# Allegro board RK_NVR_DEMO_RK3568_DDR4P216SD4_V12_20201221YWQ_final.brd (continued)
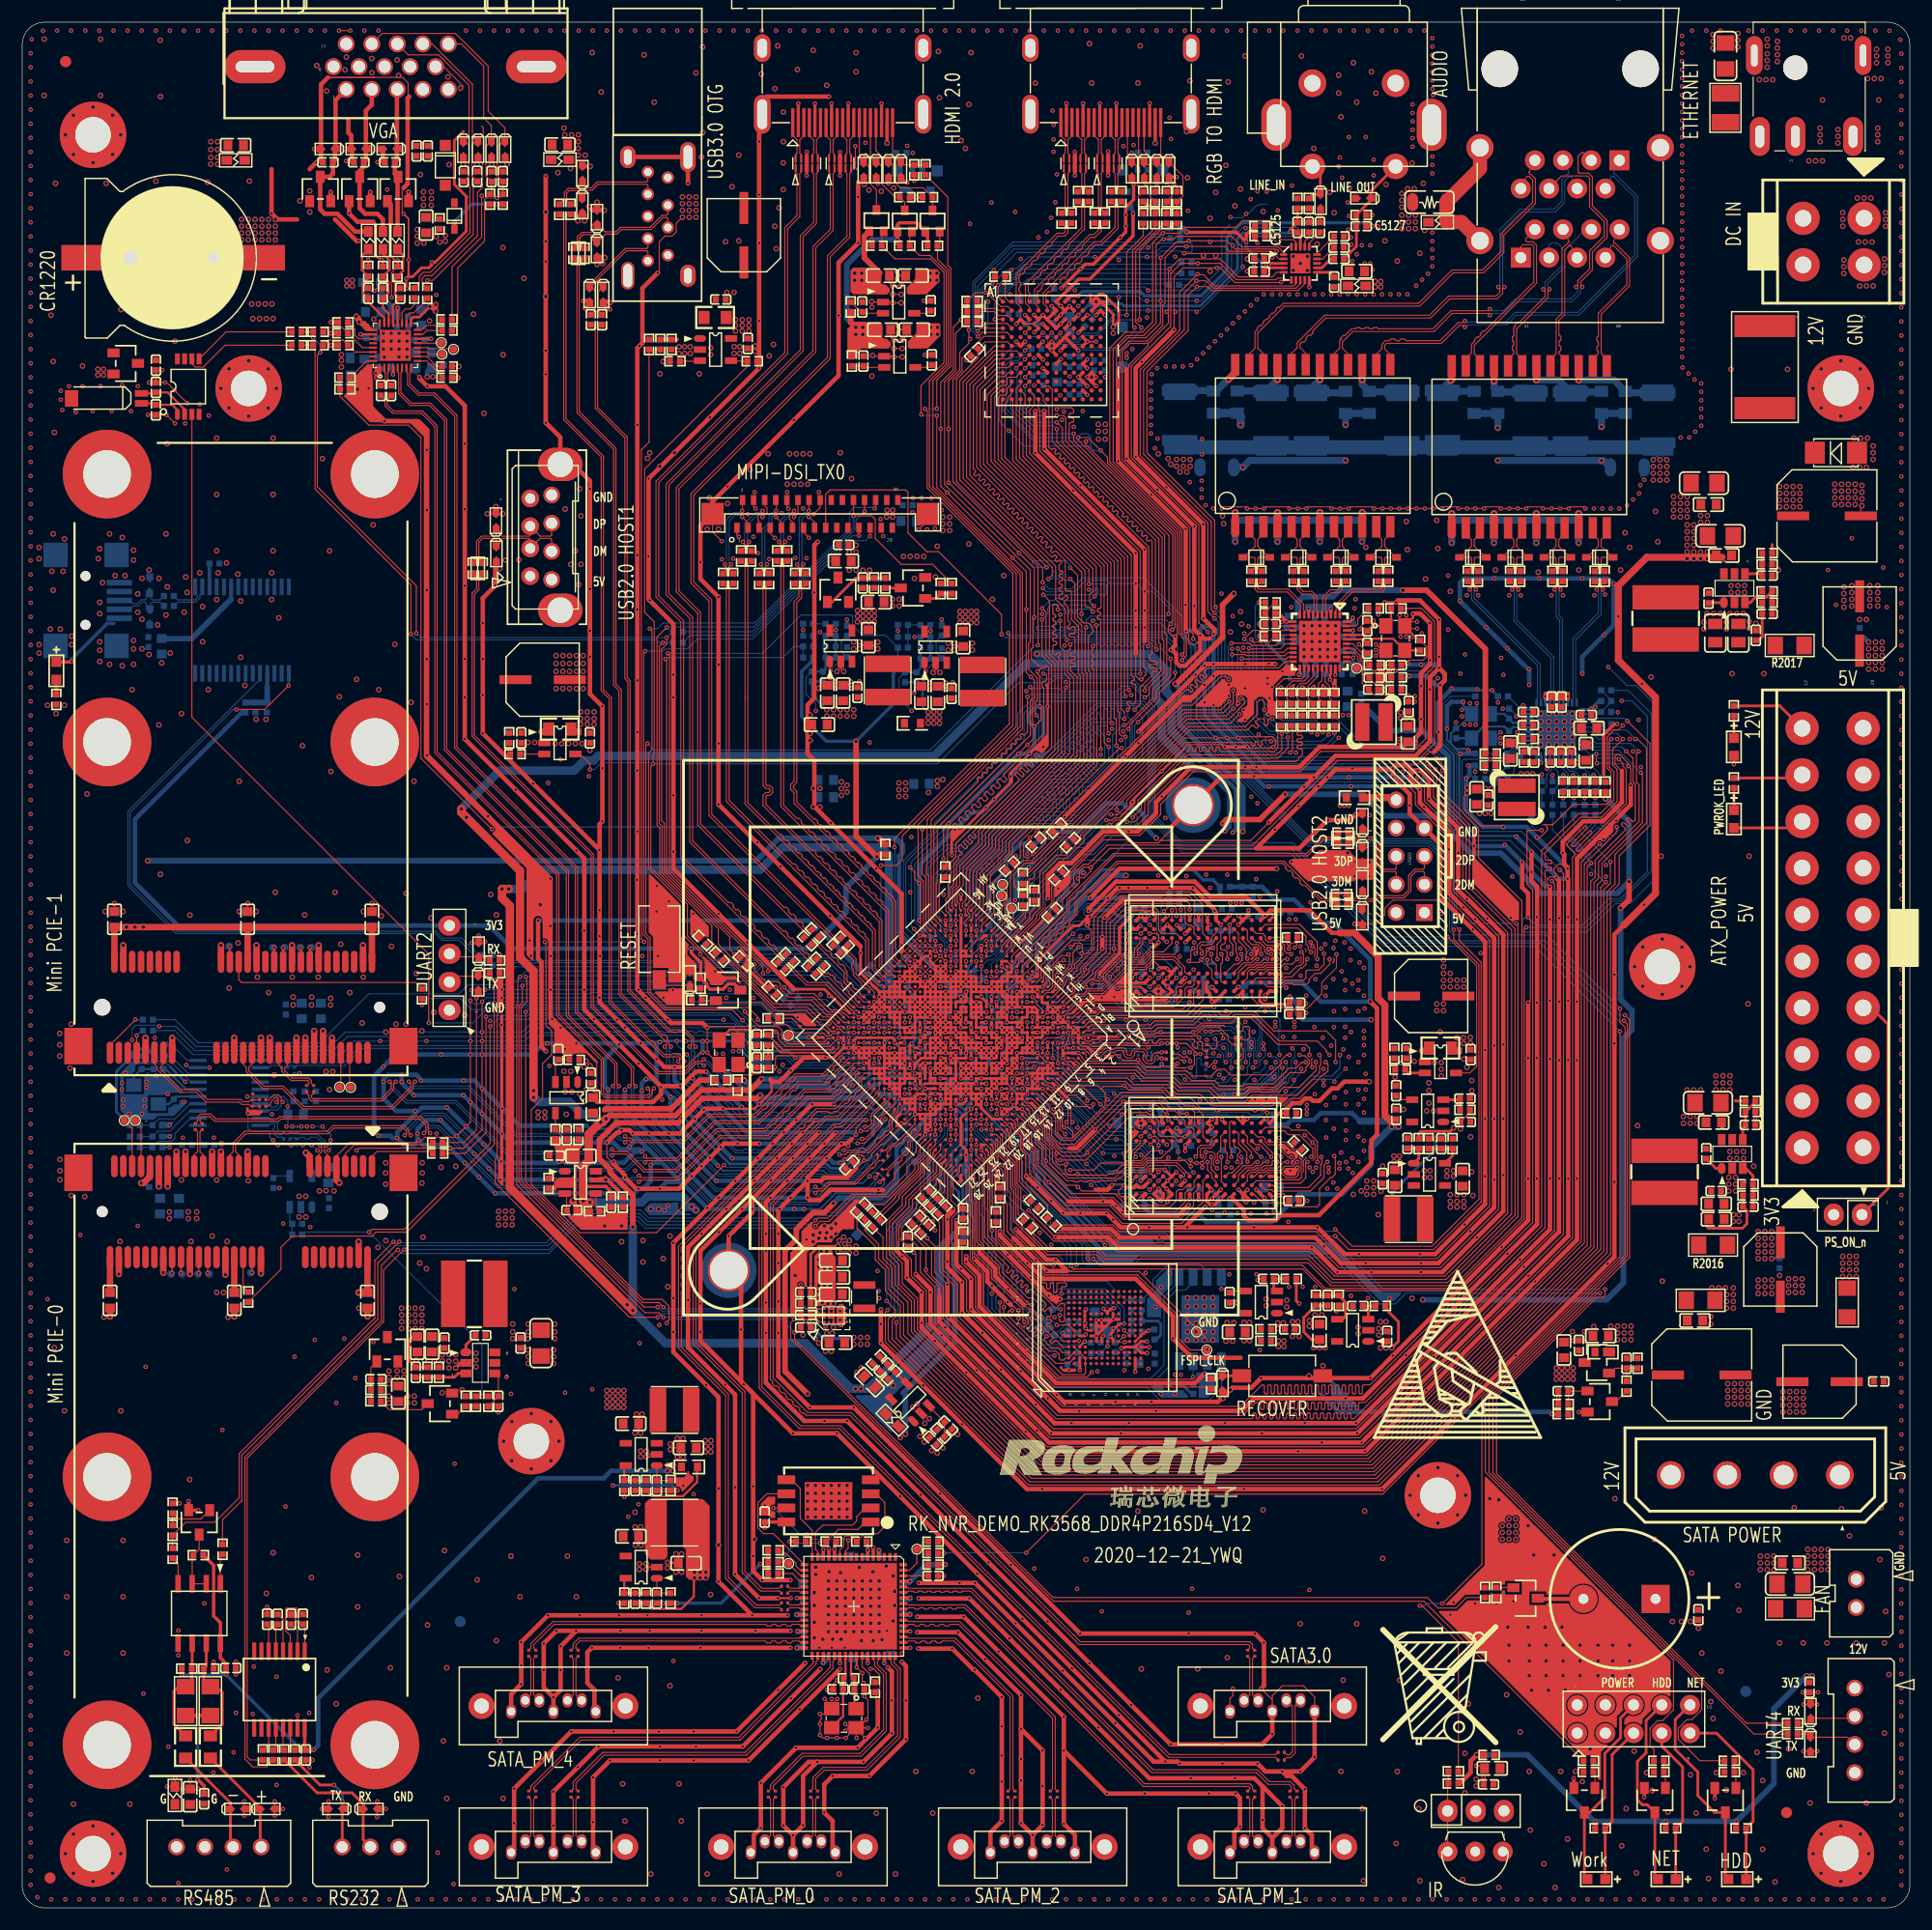
[diagram p0: board, top side]
## Routing (per net, layer and track width the routed paths; a pad name or vN(x,y) marks a point on that pad's centre or on a via; arc(x,y) is an arc through that point) (continued)
  TOP w0.406: 59.28,75.79 v1(58.78,75.79) 57.86,75.79 v1(54.31,79.35) 52.02,81.64 v1(52.02,82.04) v1(52.02,87.58) v1(52.02,89.92) v1(52.02,95.35) ; v1(80.52,57.11) 81.83,55.8 v1(81.83,55.47) v1(81.83,53.54) 81.83,52.63 v1(86,48.46) v1(91.44,43.02) 92.52,41.94 v1(102.87,41.94) v1(117.09,41.94) v1(120.69,41.94) v1(128.5,49.76) v1(135.72,56.97) 139.3,60.55 v1(139.3,65.74) v1(139.3,76.4) v1(139.3,81.79) v1(139.3,89.31) 139.3,92.7 v1(139.24,92.76) v1(139.24,93.68) 139.24,93.78 138.94,94.08 138.94,94.96 v1(138.8,95.1) 138.8,96.08 140.67,97.94 142.43,97.94 144.14,99.65 144.14,102.48 ; 65.79,63.91 v1(65.79,62.99) 65.79,62.69 v1(63.66,60.56) J9900.1 64.77,56.36 v1(64.77,52.12) 64.77,47.45 v1(65.02,47.19) v1(69.44,42.77) v1(73.41,42.77) v1(76.71,39.47) v1(79.1,37.08) v1(86.05,30.12) v1(90.12,26.06) v1(94.59,21.59) v1(98.81,17.37) v1(103,13.18) ; 65.79,63.91 v1(64.87,62.99) v1(62.79,60.91) 61.11,59.23 v1(61.11,54.46) v1(61.11,51.92) 61.11,51.11 65.86,46.36 v1(65.86,38) v1(65.86,31.7) 65.86,30.36 v1(66.67,29.54) v1(69.21,29.54) ; 65.79,63.91 v1(65.89,64.01) v1(67.46,65.58) v1(69.44,67.56) v1(70.76,68.88) v1(71.78,69.9) ; 33.2,151.84 33.2,153.54 D5912.1 ; v1(93.11,60.45) 97.85,60.45 98.78,59.52 v1(103.38,59.52) 116.26,59.52 118.48,57.3 v1(118.52,57.3) v1(121.56,57.3) v1(126.03,57.3) 127.95,57.3 v1(131.05,60.41) 133.45,62.81 v1(133.45,66.04) v1(133.45,71.12) v1(133.45,77.83) 133.45,87.74 v1(132.01,89.18) 130.25,90.94 v1(130.18,90.94) 129.39,91.73 v1(129.39,95.1) 129.39,97.31 v1(126.75,99.95) 126.75,101.77 126,102.51 v1(125.73,102.51) 125.43,102.51 125.12,102.21 ; 111.76,10.95 v1(111.76,7.92) 111.76,7.19 112.64,6.31 ; 111.76,10.95 v1(113.54,9.17) 113.54,7.19 112.66,6.31 112.64,6.31 ; 111.76,10.95 111.02,11.68 v1(109.27,11.68) v1(105.31,11.68) 101.55,11.68 v1(96.98,16.26) v1(93.57,19.66) v1(88.95,24.28) v1(85.34,27.89) v1(80.77,27.89) ; 100.33,113.08 v1(100.33,115.42) v1(100.33,116.94) v1(100.33,119.38) v1(100.33,122.11) v1(94.69,127.76) v1(91.29,131.16) v1(91.29,134.92) ; v1(47.87,18.99) J8305.4 ; v1(47.87,18.99) 46.99,19.86 v1(46.99,21.44) v1(46.99,23.83) v1(48.13,24.97) v1(49.91,24.97) ; v1(47.87,18.99) 48.51,19.63 v1(48.51,21.44) v1(48.51,23.57) v1(49.91,24.97) ; 31.63,151.99 30.2,151.99 v1(29.45,152.74) D5911.1 ; 94.39,68.47 94.99,68.47 v1(96.69,70.17) ; 34.37,155.04 34.73,155.4 34.73,163.12 34.88,163.27 ; 24.76,152.2 23.01,152.2 v1(22.47,152.74) 22.47,156.73 ; 79.23,86.2 v1(79.23,86.77) 79.23,91.41 v1(72.85,97.79) 71.37,99.26 71.37,103.43 70.76,104.04 70.76,108.43 71.37,109.04 v1(71.37,118.57) 71.37,122.83 v1(71.68,123.14) ; v1(30.3,150.27) 30.12,150.27 28.19,152.2 ; v1(69.46,6.54) v1(68.58,7.42) v1(68.58,10.87) 70.87,13.16 v1(71.63,13.16) ; v1(69.46,6.54) v1(70.36,7.44) 70.36,11.89 v1(71.63,13.16) ; v1(69.46,6.54) J8303.4 ; v1(113.54,111.46) 113.44,111.35 107.65,111.35 v1(107.34,111.05) v1(106.53,110.24) 105.41,109.12 104.7,109.12 v1(100.58,105) v1(99.42,103.84) v1(93.93,98.35) ; v1(135.15,94.25) 135.15,91.98 135.69,91.44 v1(135.69,89.31) ; v1(80.64,26.24) v1(84.84,26.24) v1(87.97,23.1) v1(93.85,17.22) v1(93.85,14.17) ; 125.12,102.21 125.12,101.6 v1(125.93,100.79) 125.93,99.62 v1(126.31,99.24) 128.57,96.97 v1(128.57,95.4) 128.57,91.46 v1(129.86,90.18) v1(130.92,89.12) 132.63,87.41 v1(132.63,77.72) v1(132.63,71.12) v1(132.63,65.63) 132.63,63.13 v1(130.48,60.99) 127.61,58.12 v1(126.03,58.12) v1(121.06,58.12) 118.82,58.12 v1(117.3,59.64) 116.5,60.43 v1(102.46,60.43) 98.88,60.43 98.11,61.2 v1(93.49,61.2) ; 125.12,102.21 125.12,102.62 124.71,103.02 123.8,103.02 v1(123.49,102.72) ; 127.2,104.19 127.76,104.75 v1(127.76,110.24) 128.17,110.64 128.17,111.25 v1(127.66,111.76) ; 27.56,165 26.92,164.36 D5900.2 26.92,157.52 C5904.2 ; J8303.1 73.02,5.24 73.02,7.82 v1(72.26,8.59) 72.26,11.13 v1(73.02,11.89) v1(76.33,11.89) v1(79.63,15.19) v1(79.63,18.69) 79.63,21.79 v1(79.25,22.17) ; 89.31,60.4 v1(91.34,58.37) v1(92.3,57.41) 94.13,57.41 v1(93.12,58.42) 92.29,58.42 v1(89.55,61.16) ; v1(127.66,111.76) v1(127.66,112.78) v1(127.66,116.13) 125.93,117.86 123.97,117.86 v1(123.8,117.69) ; v1(127.66,111.76) 126.85,110.95 v1(126.85,109.83) 126.85,105.16 125.53,103.84 118.31,103.84 116.48,102.01 ; J8302.7 87.24,6.79 v1(88.26,7.82) v1(88.26,11.38) v1(88.26,13.72) v1(88.26,16.36) v1(88.26,19) v1(85.81,21.45) 85.71,21.45 v1(83.79,23.37) v1(80.75,23.37) ; D5903.2 32.5,157.52 C5912.2 ; v1(93.85,14.17) v1(97.72,10.3) v1(101.14,10.3) v1(106.93,10.3) v1(109.32,10.3) 109.73,9.9 v1(109.73,7.32) 109.22,6.81 109.22,5.39 J8301.7 ; v1(93.85,14.17) v1(93.85,7.57) 94.86,6.57 J8302.1 ; 104.72,61.34 v1(103.78,61.34) v1(101.55,61.34) v1(99.59,61.34) 98.98,61.34 v1(98.28,62.03) v1(97.71,62.6) v1(95.35,62.6) 93.82,62.6 v1(93.78,62.64) v1(92.7,63.72) v1(91.48,64.94) 90.48,65.94 v1(90.48,65.94) ; 104.72,61.34 v1(104.98,61.34) v1(110.98,61.34) v1(116.71,61.34) 119.13,58.93 v1(120.45,58.93) v1(125.93,58.93) 127.3,58.93 v1(129.97,61.59) 131.81,63.44 v1(131.81,65.94) v1(131.81,71.12) v1(131.81,77.32) 131.81,87.08 v1(130.7,88.18) v1(127.76,91.13) v1(127.76,93.57) 127.76,96.01 127.66,96.01 J2502.7 125.02,98.65 v1(125.02,99.36) 125.02,100.38 v1(124.31,101.09) v1(123.49,101.9) v1(123.49,102.72) ; 104.72,61.34 v1(106.58,63.2) ; v1(57.56,73.96) 57.56,74.07 v1(55.52,76.1) v1(53.8,77.83) v1(51.51,80.11) 50.65,80.98 v1(50.65,82.76) v1(50.65,88.09) 50.65,94.59 v1(49.94,95.3) v1(44.45,100.79) v1(39.88,105.36) v1(39.88,109.12) v1(39.88,112.57) v1(39.88,119.18) v1(39.88,126.09) v1(39.88,131.98) 39.88,135.41 38.13,137.16 v1(36.5,137.16) 35.79,137.87 v1(35.79,137.97) ; v1(57.56,73.96) 57.66,74.07 59.39,74.07 60.71,75.39 v1(61.62,75.39) ; v1(57.56,73.96) 57.56,73.36 56.85,72.64 51.82,72.64 C2205.2 ; v1(91.05,6.57) v1(91.95,7.47) v1(91.95,10.97) v1(91.95,14.17) v1(89.99,16.13) ; v1(91.05,6.57) J8302.4 ; v1(91.05,6.57) v1(89.99,7.62) v1(89.99,11.48) v1(89.99,13.41) v1(89.99,16.13) ; v1(135.69,81.58) v1(135.69,76.61) v1(135.69,65.74) 135.69,61.96 v1(133.31,59.58) v1(123.5,49.78) v1(121.48,47.75) v1(111.62,47.75) 110.75,46.88 109.04,46.88 v2(108.84,46.69) 108.81,46.69 108.2,46.08 v2(108.2,45.92) 108.05,45.92 107.73,45.6 v1(101.75,45.6) v1(98.5,45.6) 93.84,45.6 v1(93.22,46.23) v1(85.5,53.95) v1(85.5,56.69) v1(84.58,57.61) 84.18,58.01 v1(84.18,61.98) ; v1(52.02,95.35) v1(46.02,101.35) v1(41.5,105.87) v1(41.5,109.32) v1(41.5,112.57) v1(41.5,115.82) 41.5,118.06 v1(42.62,119.18) 42.62,121.32 D2510.2 ; v1(52.02,95.35) 52.02,97.69 v1(52.27,97.94) v1(52.27,102.72) v1(52.27,108.31) 51.16,109.42 v1(51.16,112.78) v1(51.16,115.11) v1(51.16,118.87) v1(51.16,127.91) 51.16,128.63 49.67,130.12 J2503.5 48.48,132.57 v1(47.17,133.87) v1(47.17,138.24) v1(47.17,140.38) v2(47.17,145.25) v1(47.17,148.4) v1(47.17,150.23) v2(47.17,152.87) v1(47.17,156.1) ; v1(89.99,16.13) v1(89.99,19.18) v1(86.77,22.4) v1(84.33,24.84) v1(80.64,24.84) ; 75.13,66.65 74.32,65.84 72.29,65.84 71.98,65.53 v1(70.76,65.53) ; v1(96.18,89.32) 96.04,89.32 96.01,89.29 96.01,88.72 95.95,88.66 v1(95.95,88.57) ; v1(80.77,29.29) v1(84.45,29.29) v1(85.85,29.29) v1(89.5,25.64) v1(93.76,21.37) v1(98.49,16.65) 101.96,13.18 v1(103,13.18) ; v1(69.21,24.97) v1(66.09,24.97) v1(61.21,24.97) v1(56.54,24.97) v1(53.9,24.97) v1(49.91,24.97) ; D2513.2 120.74,88.7 v1(120.04,88.7) ; 75.54,86.66 v1(72.8,89.41) v1(68.33,93.88) v1(62.74,99.47) v1(62.74,104.95) v1(62.74,112.06) v1(62.74,118.16) 61.11,119.79 v1(61.11,121.31) 61.11,124.56 J5200.31 62.2,126.77 v1(63.55,128.12) v1(69.54,134.11) 73.56,138.13 v1(73.56,143.54) 73.56,148.3 v1(75.32,150.06) v1(75.32,154.23) 75.32,155.59 ; v1(59.99,155.45) J2500.12 J2500.13 ; v1(71.63,13.16) v1(75.8,13.16) v1(78.36,15.72) v1(78.36,18.69) 78.36,21.3 v1(78,21.66) ; v1(92.41,91.01) 92.41,93.07 93.52,94.18 94.54,94.18 97.38,97.03 v1(99.69,97.03) 100.53,97.03 102.16,98.65 102.16,99.67 v1(102.67,100.18) 105.31,102.82 v1(111.2,102.82) 115.06,102.82 116.89,104.65 124.39,104.65 C6814.2 124.98,104.99 v1(125.56,104.99) v1(125.56,105.49) 126.03,105.97 v1(126.03,107.14) v1(126.03,110.13) 126.03,111.28 126.85,112.1 v1(126.85,112.47) 126.85,115.79 125.97,116.67 125.36,116.67 v1(125.32,116.64) ; v1(85.06,58.72) v1(85.06,58.23) 86.26,57.03 86.26,54.2 93.17,47.29 105.66,47.29 v1(106.53,48.16) ; v1(103,13.18) 104.11,13.18 v1(104.29,13) v1(108.15,13) v1(111.3,13) 112.01,12.29 v1(113.54,12.29) ; v1(97.54,89.27) 99.14,90.87 v1(99.48,90.87) v1(102.69,90.87) 104.79,90.87 104.82,90.85 v1(104.84,90.85) ; v1(83.36,56.18) 83.36,53.34 v1(83.46,53.24) v1(88.19,48.51) v1(91.34,45.36) 93.01,43.69 v1(94.54,43.69) v1(99.72,43.69) v1(108.36,43.69) v1(115.57,43.69) v1(120.19,43.69) v1(126.26,49.76) v1(134.95,58.45) 137.66,61.15 v1(137.66,65.74) v1(137.66,76.5) v1(137.66,81.79) v1(137.66,89.1) v1(137.66,92.05) ; v1(70.76,65.53) v1(69.24,64.01) v1(68.22,62.99) 68.12,62.89 v1(68.12,60.76) v1(68.12,58.12) v1(68.12,54.66) v1(68.12,51.82) 68.12,47.96 v1(70.97,45.11) v1(74.93,45.11) v1(82.7,37.34) v1(89.1,30.94) v1(95.32,24.72) v1(105.11,24.72) v1(111.07,24.72) v1(111.89,23.9) 111.89,20.02 v1(111.63,19.76) ; v1(70.76,65.53) 70.76,65.84 v1(72.49,67.56) v1(73.81,68.88) 74.32,68.88 74.73,69.29 ; v1(70.76,65.53) v1(70.76,64.01) 70.97,63.8 71.88,63.8 72.8,64.72 v1(77.17,64.72) 77.57,64.72 ; v1(72.37,76.64) 70.42,76.64 v1(69.25,75.48) 68.22,74.45 67.64,74.45 67.41,74.68 ; v1(103.59,97.5) J9900.2 108.1,102.01 v1(111,102.01) 116.48,102.01 ; 109.78,49.58 105.42,49.58 v1(103.68,51.31) 103.68,53.34 100.32,56.7 91.99,56.7 v1(90.58,58.12) 88.09,60.6 v1(88.09,60.96) ; v1(104.86,115.07) 104.83,115.1 v1(104.83,117.45) v1(104.83,124.3) v1(101.74,127.39) v1(98.74,130.4) 98.74,138.48 ; v1(63.14,72.03) 61.52,72.03 v1(61.42,71.93) v1(60.6,71.12) v1(59.54,70.05) 59.28,69.8 v1(55.02,69.8) 54.71,70.1 v1(54,70.1) 53.8,69.9 53.59,69.9 v1(52.68,68.99) ; v1(72.69,163.27) 67.11,163.27 66.4,162.56 v1(66.4,159.21) v1(66.4,154.43) v1(66.4,150.06) v1(66.4,143.05) v1(66.4,138.79) v1(61.98,134.37) v2(58.78,131.17) v1(56.44,128.83) v1(56.44,121.82) 56.44,117.96 v1(56.54,117.86) 58.67,115.72 v1(58.67,111.15) v1(58.67,109.12) v1(58.67,100.28) v1(58.67,95.2) 58.67,93.68 v1(62.74,89.61) v1(65.33,87.02) 69.55,82.8 ; J8304.7 44.32,5.26 v1(44.32,7.62) v1(44.32,10.74) v1(46.79,13.21) v1(49.47,15.89) v1(53.29,15.89) v1(57.35,15.89) v1(60.5,15.89) v1(64.37,15.89) v1(68.11,19.63) v1(70.54,22.06) ; v1(96.23,91.03) 98.87,93.68 v2(113.03,93.68) ; D2516.2 v1(120.14,98.56) 119.62,98.04 v2(117.6,98.04) 115.06,95.5 111.2,95.5 v1(112.88,97.18) v1(115.01,99.31) v1(116.79,101.09) v1(117.6,101.9) 118.31,102.62 123.39,102.62 v1(123.49,102.72) ; 112.64,6.31 J8301.4 ; 50.44,77.42 v1(49.94,77.93) v1(48.51,79.35) v1(47.75,80.11) 47.6,80.26 v1(47.6,82.75) v1(47.6,88.49) v1(47.6,92.76) v1(41.96,98.4) v1(36.47,103.89) v1(36.47,108.51) v1(36.47,112.57) v1(36.47,118.77) v1(36.47,125.98) v1(36.47,131.42) 36.47,133.1 35.56,134.01 v1(32.64,134.01) 31.22,135.43 v1(31.22,136.96) ; v1(70.36,69.9) v1(69.34,68.88) v1(68.02,67.56) v1(65.99,65.53) v1(63.45,62.99) v1(61.21,60.76) 59.99,59.54 v1(59.99,54.76) 59.99,50.5 v1(63.35,47.15) 64.23,46.26 v1(64.23,37.9) v1(64.23,30.08) v1(66.4,27.91) v1(68.07,27.91) ; v1(57.28,147.4) 55.88,146 55.88,141.05 v1(55.63,140.79) 55.42,140.59 v1(55.42,133.68) v1(55.42,121.92) v1(55.42,117.04) v1(55.42,110.64) v1(55.42,105.97) v1(55.42,102.51) v1(55.42,97.03) v1(55.42,87.78) 55.42,82.8 v1(56.18,82.04) v1(58.17,80.06) 58.47,79.76 61.32,79.76 v1(61.72,79.35) ; 116.48,102.01 v1(116.38,101.9) v1(115.52,101.04) v1(112.32,97.84) ; 99.52,138.68 v1(99.52,130.62) v1(102.29,127.85) v1(105.61,124.53) v1(105.61,117.35) 105.61,115.23 v1(106.14,114.71) ; J8305.7 44.06,19.25 v1(44.96,20.15) v1(44.96,21.84) v1(44.96,23.95) v1(47.37,26.37) v1(50.24,26.37) v1(53.8,26.37) v1(56.34,26.37) v1(61.21,26.37) v1(65.79,26.37) ; v1(97.32,86.47) v1(97.32,87.53) ; D2514.2 v1(121.35,92.98) ; D2514.2 v1(120.05,92.98) 115.66,92.98 v1(114.35,94.28) 116.08,94.28 116.89,95.1 v2(119.43,95.1) 120.14,94.39 v1(120.14,94.27) D2515.2 ; D2514.2 v1(120.75,93.68) D2515.2 ; v1(113.54,12.29) v1(115.16,12.29) v1(116.45,13.58) J8300.1 ; v1(113.54,12.29) 113.94,11.89 114.38,11.89 v1(115.57,10.69) v1(115.57,7.19) 116.2,6.55 116.2,5.24 J8301.1 ; v1(97.8,91.04) 98.7,91.94 v1(98.88,91.94) v1(99.69,91.94) v1(101.39,91.94) v1(103.38,91.94) v1(105.5,91.94) v1(106.55,90.88) 106.89,90.55 106.89,90.52 107.39,90.02 ; 144.93,101.09 144.93,99.44 140.09,94.6 v1(140.09,89.1) v1(140.09,81.69) v1(140.09,76.4) v1(140.09,65.74) 140.09,60.22 v1(136.33,56.46) v1(129.62,49.75) v1(126.52,46.65) v1(121.02,41.15) v1(114.96,41.15) v1(104.6,41.15) v1(96.98,41.15) v1(92.19,41.15) v1(90.42,42.92) v1(85.08,48.25) v1(82.24,51.1) 81.04,52.3 v1(81.04,52.73) v1(81.04,55.47) v1(79.71,56.8) 79.71,58.32 v1(79.3,58.72) 78.79,59.23 ; v1(86.26,59.64) 86.26,59.05 87.68,57.63 87.68,56.93 v1(88.84,55.77) 90.26,54.35 ; v1(53.29,67.26) 53.29,67.06 54.31,66.04 v1(54.31,65.84) 55.32,64.82 v1(55.52,64.82) v1(57.45,64.82) 59.18,64.82 v1(59.59,65.23) v1(61.21,66.85) v1(61.98,67.61) v1(62.94,68.58) 63.25,68.88 v1(66.4,68.88) ; 82.65,55.17 82.65,52.83 v1(83.16,52.32) v1(87.07,48.41) v1(92.71,42.77) v1(99.01,42.77) v1(111.71,42.77) v1(120.29,42.77) v1(127.18,49.66) v1(135.31,57.78) 138.47,60.95 v1(138.47,65.74) v1(138.47,76.4) v1(138.47,81.69) v1(138.47,89.2) 138.47,92.62 v1(138.23,92.86) ; 29.39,161.14 29.39,160.03 29.65,159.76 29.65,158.61 D5901.2 29.71,157.52 C5906.2 ; D2515.2 v1(121.41,94.27) ; v1(77.09,18.87) v1(77.09,16.24) v1(75.27,14.43) v1(69.72,14.43) v1(66.55,11.25) v1(66.55,7.19) 65.91,6.55 65.91,5.26 J8303.7 ; v1(93.52,54.87) 92.81,54.87 v1(92.51,55.17) v1(90.88,56.79) v1(88.8,58.88) 88.24,59.44 ; 25.9,156.73 v1(26.52,157.35) ; J8300.4 v1(112.64,15.66) v1(111.71,14.73) v1(108.15,14.73) v1(103.48,14.73) v1(99.92,18.29) v1(96.16,22.05) v1(92.4,25.81) v1(87.07,31.14) v1(80.97,37.24) v1(74.32,43.89) v1(72.29,43.89) 70.46,43.89 67.01,47.35 v1(67.01,51.82) v1(67.01,54.56) v1(67.01,59.23) v1(67.01,60.76) v1(67.01,62.99) 67.01,63.6 v1(67.41,64.01) v1(68.94,65.53) v1(70.97,67.56) v1(72.29,68.88) v1(73.3,69.9) ; v1(112.9,112.12) v1(110.19,112.12) v1(107.34,112.12) 106.68,112.12 v1(106.53,111.96) v1(105.71,111.15) v1(100.58,106.02) ; 101.14,114.2 v1(101.14,115.42) v1(101.14,116.94) v1(101.14,118.67) v1(101.14,122.45) v1(95.36,128.23) v1(92.1,131.49) 92.1,134.9 v1(92.07,134.92) ; v1(69.21,23.44) v1(61.11,23.44) v1(56.44,23.44) v1(53.9,23.44) v1(51.33,23.44) 50.93,23.04 v1(50.93,21.64) 50.93,20.27 v1(51.56,19.63) 51.56,17.81 J8305.1 ; v1(105.08,63.34) 104.15,62.41 v1(99.79,62.41) 99.42,62.41 v1(99.12,62.7) v1(98.57,63.26) 98.15,63.67 v1(97.38,63.67) 94.26,63.67 ; v1(85.77,58.52) 86.97,57.33 86.97,56.44 v1(88.8,54.61) 89.07,54.34 ; v1(65.79,26.37) v1(62.74,29.41) v2(62.74,32.72) v1(62.74,37.8) 62.74,46.04 v1(61.63,47.15) 58.67,50.1 v1(58.67,51.92) v1(58.67,54.97) v1(58.67,59.94) 61.72,62.99 v1(61.72,63.09) 61.82,63.09 v1(62.74,64.01) v1(64.26,65.53) v1(66.29,67.56) v1(67.61,68.88) v1(68.63,69.9) v1(69.75,71.02) v1(71.17,72.44) v1(73.1,72.44) ; v1(65.79,26.37) v1(68.96,26.37) ; v1(73.68,21.52) v1(70.05,17.89) v1(65.45,13.28) v1(60.5,13.28) v1(57.45,13.28) v1(52.96,13.28) v1(51.43,11.76) v1(51.43,7.72) 51.43,5.24 J8304.1 ; v1(77.37,53.95) v1(77.37,52.63) 77.37,50.91 v1(81.18,47.09) v1(84.69,43.59) 90.53,37.74 v1(91.9,37.74) v1(101.14,37.74) v1(110.08,37.74) v1(122.53,37.74) v1(128.88,44.09) v1(134.57,49.78) v1(142.85,58.06) 143.46,58.67 v1(143.46,65.43) v1(143.46,77.93) v1(143.46,84.12) 143.46,87.73 144.32,88.6 ; v1(71.9,21.52) v1(69.26,18.88) v1(64.93,14.54) v1(60.71,14.54) v1(57.45,14.54) v1(51.93,14.54) v1(50.06,12.67) v1(47.87,10.48) v1(47.87,7.42) J8304.4 ; v1(103.78,142.25) v1(100.88,139.35) 100.33,138.8 v1(100.33,130.82) v1(103.1,128.04) v1(106.43,124.72) v1(106.43,116.23) 107.44,115.21 107.44,114.91 v1(107.34,114.81) ; v1(83.87,62.99) 83.87,62.79 83.36,62.28 v1(83.36,62.05) v1(83.36,58.24) 83.36,57.71 v1(84.68,56.39) v1(84.68,53.65) v1(86.51,51.82) v1(89.97,48.36) v1(92.41,45.93) 93.54,44.79 v1(95.25,44.79) v1(102.16,44.79) v1(109.86,44.79) 110.99,45.92 v1(119.23,45.92) 120.8,45.92 v1(124.69,49.81) v1(133.83,58.96) 136.5,61.62 v1(136.5,65.74) v1(136.5,76.61) v1(136.5,81.58) v1(136.5,89.31) 136.5,92.05 135.99,92.56 v1(135.99,93.37) v1(135.99,95.2)
  TOP w0.584: J8500.43 11.51,65.91 10.93,65.33 v2(10.72,65.33) ; v2(28.57,65.35) 28.31,65.62 J8500.9 ; J8501.43 v2(27.91,78.44) ; J8500.26 v2(18.31,57.07) ; J8500.27 v2(17.91,68.17) ; C8530.2 v2(7.91,53.3) ; J8501.50 v2(30.71,86.77) ; J8501.15 v2(13.51,78.44) ; J8501.26 v2(21.11,86.77) ; J8500.34 v2(15.11,57.12) ; J8501.21 v2(19.11,78.44) ; J8501.40 v2(26.71,86.77) ; J8501.37 v2(25.51,78.44) ; v2(14.71,68.17) J8500.35 ; J8501.18 v2(17.91,86.77) ; C8528.2 v2(31.11,53.3) ; J8500.21 v2(20.31,68.17) ; J8501.29 v2(22.31,78.44) ; J8500.40 v2(12.71,57.24) ; J8500.4 v2(30.31,60.05) ; J8501.9 v2(11.11,78.44) ; J8500.37 v2(13.91,68.17) ; C8529.2 v2(19.11,53.3) ; J8500.29 v2(17.11,68.17) ; J8500.15 25.91,67.71 v2(25.55,68.07) ; J8501.34 v2(24.31,86.77) ; J8501.4 v2(9.11,86.77) ; J8500.18 v2(21.51,57.18) ; J8500.50 v2(8.71,57.12) ; J8501.35 v2(24.71,78.44) ; J8501.27 v2(21.51,78.44)
  TOP w0.635: 153.16,121.74 146.38,121.74 143.81,119.18 v1(143.81,116.41) 143.81,112.47 v1(145.95,110.34) 147.17,109.12 147.17,91.44 v1(146.15,90.42) 144.32,88.6
  GND w0.102: v2(114.53,147.6) 113.49,146.56 v1(113.44,146.56) ; 112.62,148.74 v1(112.62,148.76) 112.62,148.95 v1(113.03,149.35)
  POWER w0.089: 114.42,75.14 114.42,75.22 114.42,75.22 114.42,76.37 114.55,76.5 114.55,77.16 114.55,77.17 114.55,77.22 ; 110.89,75.34 v1(110.89,75.74) ; 106.61,68.01 106.61,67.56 106.29,67.24 106.29,66.94 ; v1(107.09,78.99) v1(106.63,78.99) 106.24,78.99 105.85,79.39
  POWER w0.097: 105.4,85.23 105.4,85.19 105.59,85
  POWER w0.1: 110.96,84.72 110.96,85.66 111.19,85.89 v1(111.19,86.45) ; 110.04,66.94 110.04,67.39 110.19,67.54 110.19,67.94 110.43,68.18 110.43,68.49 ; v1(108.48,80.83) 108.48,80.81 108.34,80.67 108.34,80.39 108.29,80.34 108.29,80.14 108.24,80.09 108.24,78.42 v1(108.22,78.39) 108.24,78.37 v1(108.24,77.52) 108.24,76.53 108.1,76.39 ; v1(105.7,76.97) 105.68,76.99 105.68,77.45 105.51,77.62 v1(105.51,78.94) 105.51,79.04 105.85,79.39 105.85,79.62 107.19,80.96 ; v1(105.7,76.97) 105.61,76.88 105.61,76.07 v1(105.28,75.74) ; v1(105.7,76.97) v1(106.15,76.97) ; v1(113.26,69.4) 113.26,69.56 114.09,70.42 114.09,73.36 v1(113.84,73.61) 113.69,73.76 113.69,75.59 v1(113.54,75.74) 113.49,75.78 113.49,76.34 113.51,76.36 113.51,76.37 113.64,76.5 113.64,77.08 113.54,77.18 113.54,78.44 v1(113.6,78.49) 113.6,78.51 113.62,78.53 113.62,78.62 113.76,78.77 113.76,80.77 113.64,80.9 113.64,82.67 v1(113.9,82.93) ; v1(118.19,79.4) 118.19,77.98 v1(117.93,77.72) 118.14,77.51 118.14,76.69 117.99,76.54 117.99,76.1 118.19,75.9 118.19,74.52 v1(118.24,74.47) 118.23,74.46 118.23,73.06 v1(118.24,73.05) ; v1(118.14,86.52) 118.19,86.48 118.6,86.48 118.82,86.26 118.82,84.71 118.72,84.6 118.79,84.53 ; v1(116.26,68.98) 116.61,69.34 116.61,73.19 v1(116.46,73.34) 116.34,73.46 116.34,75.69 v1(116.24,75.79) 116.24,75.83 116.19,75.88 116.19,76.59 116.32,76.72 116.32,77.75 116.28,77.8 116.28,79.25 v1(116.43,79.4) 116.55,79.52 116.55,82.8 116.53,82.83 v1(116.53,83.7) 116.53,83.84 116.49,83.88 116.49,83.91 115.69,84.71 115.69,85.16 115.46,85.39 115.46,85.66 115.59,85.79 115.59,85.82 115.7,85.93 115.7,86.23 116.03,86.56 116.14,86.56 116.24,86.66 v1(116.24,86.68) ; 110.79,78.03 110.9,78.13 110.9,78.84 110.95,78.89 v1(110.95,78.97) ; 110.79,78.03 v1(110.74,78.03) ; 110.79,78.03 110.9,77.93 110.9,77.69 110.79,77.59 ; 107.39,82.35 107.39,82.25 107.58,82.05 107.58,81.35 v1(107.41,81.17) ; 114.54,77.39 v1(114.44,77.49) 114.44,77.79 114.49,77.84 114.49,78.36 v1(114.63,78.49) v1(114.63,79.41) ; v1(107.09,78.99) 107.08,78.99 107.08,77.29 v1(107.34,77.04) 107.34,76.81 107.17,76.63 107.17,75.92 107.29,75.79 107.34,75.79 107.37,75.77 v1(107.42,75.77) 107.19,75.54 107.19,75.34 ; v1(114.14,86.47) 114.09,86.47 113.79,86.17 113.79,85.82 113.64,85.68 113.64,85.37 113.79,85.22 113.79,84.82 v1(113.89,84.72) ; v1(119.2,79.41) v1(119.2,78.44) 119.2,77.55 v1(119.04,77.39) 119.09,77.34 119.09,76.59 119.06,76.55 119.06,75.81 v1(119.24,75.64) 119.24,73.56 v1(119.26,73.54) ; 111.74,66.74 111.74,67.29 111.99,67.54 111.99,67.97 112.12,68.1 112.12,68.78 112.38,69.04 112.38,69.71 113.29,70.62 113.29,72.51 113.17,72.63 113.17,73.05 112.65,73.57 112.65,74.78 112.75,74.88 ; v1(117.04,86.47) 117.04,86.34 116.36,85.66 116.36,85.19 v1(116.62,84.92) ; 110.04,85.68 110.04,85.4 110.24,85.2 ; 112.89,68.34 112.89,68.14 112.89,68.14 112.89,67.53 112.59,67.24 112.59,66.94 ; v1(112.9,79.44) 112.9,79.39 112.74,79.23 112.74,77.74 112.74,77.73 112.74,76.53 112.59,76.39 112.59,76.14 112.62,76.11 112.62,75.81 112.56,75.75 v1(112.56,75.74) 112.56,75.72 112.65,75.63 112.65,74.98 112.75,74.88 ; 110.79,77.59 110.94,77.44 110.94,76.54 110.79,76.39 110.79,75.83 v1(110.89,75.74) ; 110.79,77.59 v1(110.77,77.59) ; 115.44,66.94 115.44,67.39 115.59,67.54 115.59,68.13 115.9,68.43 115.9,68.44 ; 112.75,74.88 v1(112.83,74.88) ; v1(117.49,72.36) 117.34,72.51 117.34,74.64 117.24,74.73 ; v1(109.5,82.13) 109.5,82.1 109.34,81.94 109.34,80.45 109.14,80.25 109.14,76.77 108.99,76.62 108.99,75.79 v1(108.94,75.74) ; v1(114.98,70.47) 114.98,70.48 114.99,70.49 114.99,70.54 114.87,70.66 114.87,74.35 v1(114.59,74.63) 114.59,74.94 114.42,75.12 114.42,75.14 ; v1(110.2,79.86) 110.08,79.74 110.08,78.62 109.89,78.44 109.89,77.23 110.04,77.08 110.04,76.59 109.89,76.44 109.89,75.78 109.92,75.75 v1(109.92,75.74) 109.94,75.72 109.94,75.49 110.11,75.31 110.11,73.83 110.21,73.73 110.21,71.4 110.37,71.25 v1(110.37,71.11) ; 105.79,68.44 105.69,68.33 105.69,68.28 105.39,67.98 105.39,67.54 ; v1(109.25,73.31) v1(109.25,74.64) ; 109.14,85.68 109.29,85.82 109.29,86.42 ; 109.67,68.41 109.29,68.03 109.29,67.54 109.14,67.39 109.14,66.99 109.19,66.94 109.19,66.94 ; 114.49,66.94 114.49,67.34 114.69,67.54 114.69,68.24 ; 106.11,74.34 105.78,74.66 v1(104.78,74.66) 104.38,75.06 104.38,75.14 103.68,75.83 v1(103.68,76.02) 103.68,76.81 103.58,76.91 v1(103.58,77.93) ; 108.24,74.47 v1(108.24,73.31) ; 106.71,68.44 106.59,68.32 ; 113.79,68.12 113.79,67.54 113.64,67.39 113.64,66.94 ; 105.59,67.24 105.89,66.94 ; 107.19,72.39 107.19,72.34 107.64,71.88 v1(107.65,71.88) ; v1(115.55,69.66) 115.55,69.67 115.9,70.03 115.9,71.42 115.79,71.54 v1(115.74,71.54) 115.74,71.56 115.77,71.59 115.77,71.91 115.74,71.93 v1(115.74,71.96) 115.77,71.98 115.77,72.38 v1(115.75,72.39) 115.75,72.4 115.58,72.57 115.58,75.05 115.24,75.38 v1(115.24,75.64) 115.29,75.69 115.29,76.39 115.44,76.54 v1(115.44,77.39) 115.44,77.74 115.51,77.8 115.51,80.57 115.61,80.67 v1(115.69,80.67) ; v1(118.19,80.82) 118.19,80.53 ; 112.09,86.42 112.09,85.92 111.84,85.68 111.84,85.01 111.84,84.72 ; 108.51,85.03 108.51,85.03 108.24,85.3 108.24,85.68 108.39,85.82 108.39,86.17 108.75,86.52 ; 108.14,66.94 108.14,67.29 108.39,67.53 ; v1(117.24,75.63) 117.24,75.64 117.09,75.79 117.09,76.39 117.22,76.52 117.22,77.09 117.09,77.22 117.09,78.34 v1(117.18,78.43) 117.29,78.54 117.29,81.62 117.44,81.77 v1(117.44,82.22) ; v1(112.09,72.89) 112.07,72.9 112.04,72.9 111.94,73 111.94,75 111.71,75.23 111.71,76.37 111.82,76.48 111.82,77.42 v1(111.84,77.44) v1(111.84,77.88) 111.84,80.12 112.04,80.31 111.99,80.37 v1(111.99,80.82) 111.99,81.18 ; 111.14,68.76 111.14,68.81 ; 107.34,66.94 107.34,67.39 107.49,67.53 107.49,68.21 107.65,68.37 ; 107.62,84.92 107.61,84.92 107.36,85.18 107.36,85.69 107.64,85.97 ; 114.87,84.95 114.56,85.25 114.56,85.66 114.59,85.69 114.59,85.72 114.69,85.82 114.69,86.19 v1(115.16,86.66) ; 110.94,66.94 110.94,67.39 111.01,67.45 ; 112.74,84.72 112.74,84.81 112.74,84.81 112.74,85.68 112.89,85.82 112.89,86.42 ; 111.14,68.17 111.14,68.43 ; 111.02,74.61 v1(111.02,74.64)
  POWER w0.102: v1(119.26,73.54) v1(119.26,72.44) v1(119.26,71.02) 119.24,70.99 119.24,70.09 v1(119.26,70.06) 119.24,70.04 119.24,69.26 v1(119.26,69.24) 119.24,69.21 119.24,68.48 v1(118.84,68.08) 118.84,67.79 118.04,66.99 118.04,66.92 117.86,66.74 v1(117.7,66.74) 117.09,66.74 ; 106.29,66.94 106.39,66.84 106.39,66.74 ; v1(109.25,73.31) 109.29,73.27 109.29,72.99 109.5,72.78 109.5,72.43 109.5,72.43 109.5,70.19 109,69.68 109,68.73 108.39,68.12 108.39,67.53 ; 108.14,66.94 108.14,66.74 ; 108.14,66.74 107.73,66.74 v1(107.66,66.67) 107.59,66.74 107.34,66.74 ; 108.14,66.74 v1(108.44,66.74) v1(108.97,66.74) 109.19,66.74 ; 110.24,85.2 110.24,84.16 111.11,83.3 111.11,79.28 111,79.17 111,79.02 v1(110.95,78.97) ; 115.44,66.74 114.89,66.74 v1(114.89,66.73) 114.89,66.74 114.49,66.74 ; 115.44,66.74 115.44,66.94 ; 115.44,66.74 v1(116,66.74) 116.34,66.74 ; 114.87,84.95 114.99,84.83 114.99,84.23 v1(115.19,84.02) 115.69,83.52 115.69,82.25 115.71,82.23 115.71,82.22 115.69,82.2 v1(115.69,80.67) ; v1(106.81,86.36) 106.81,86.33 106.69,86.22 106.69,86.12 ; 114.69,68.24 115.39,68.94 115.39,69.51 115.53,69.66 v1(115.55,69.66) ; 118.79,84.53 118.79,84.52 v1(118.89,84.42) 119.2,84.11 v1(119.2,83.62) v1(119.2,82.72) v1(119.2,79.41) ; 106.69,86.12 106.32,86.5 105.53,86.5 v1(105.52,86.5) 105.4,86.37 105.4,86.35 105.3,86.25 105.3,85.33 105.4,85.23 ; 106.69,86.12 106.69,85.89 106.46,85.66 106.46,85.65 106.39,85.58 106.39,85.14 107.18,84.35 107.18,83.03 v1(107.22,82.99) 107.39,82.82 107.39,82.35 ; v1(118.14,86.52) 117.99,86.52 117.69,86.22 117.69,85.92 117.44,85.67 117.44,85.29 117.98,84.75 117.98,83.89 v1(118.14,83.72) 118.3,83.56 118.3,81.13 118.19,81.02 v1(118.19,80.82) ; v1(111.02,74.64) 110.99,74.64 110.89,74.74 110.89,75.34 ; 111.14,68.81 111.67,69.33 111.67,70.11 112.48,70.93 112.48,71.34 112.19,71.64 v1(112.19,71.66) 112.14,71.71 112.14,72.71 112.09,72.77 v1(112.09,72.89) ; 106.83,68.58 106.83,68.56 106.71,68.44 ; 106.83,68.58 106.93,68.68 106.93,69.49 107.54,70.1 107.54,71.68 107.72,71.86 107.7,71.88 v1(107.65,71.88) ; 106.83,68.58 106.83,72.03 107.19,72.39 v1(107.19,72.81) 107.19,73.59 107.19,75.34 ; 117.09,66.74 117.09,67.24 117.39,67.53 117.39,67.92 118.35,68.88 118.35,70.08 118.2,70.23 ; 117.09,66.74 v1(116.59,66.74) 116.34,66.74 ; 110.28,86.42 110.28,85.91 110.04,85.68 ; 110.28,86.42 111.17,86.42 v1(111.19,86.45) 111.22,86.42 v1(112.32,86.42) 113.19,86.42 v1(113.33,86.56) 113.47,86.42 114.09,86.42 v1(114.14,86.47) ; 110.28,86.42 109.82,86.42 v1(109.75,86.49) 109.69,86.42 108.85,86.42 108.65,86.62 v1(108.64,86.62) 107.89,86.62 107.64,86.37 107.64,85.97 ; 113.64,66.74 113.64,66.94 ; 113.64,66.74 114.49,66.74 ; 113.64,66.74 112.59,66.74 ; 106.39,66.74 v1(106.32,66.74) 106.09,66.74 105.89,66.94 ; 106.39,66.74 107.34,66.74 ; 111.84,84.72 111.84,84.58 112.49,83.93 112.49,83.52 112.9,83.11 v1(112.9,79.86) v1(112.9,79.44) ; 118.2,70.23 118.25,70.23 118.35,70.33 118.35,72.94 v1(118.24,73.05) ; 118.2,70.23 v1(118.18,70.23) ; 112.59,66.74 112.59,66.94 ; 112.59,66.74 110.94,66.74 ; 110.43,68.49 110.43,69.1 110.93,69.6 110.93,70.45 111.23,70.75 111.23,71.7 111.07,71.86 v1(111.07,72.9) 111.07,74.55 111.02,74.61 ; 107.62,84.92 108.11,84.43 108.11,82.57 108.61,82.07 108.61,80.94 108.5,80.83 v1(108.48,80.83) ; v1(103.58,77.93) 103.58,78.03 103.48,78.13 103.48,79.14 105.48,81.14 105.68,81.14 105.98,81.44 105.98,84.61 105.59,85 ; 107.34,66.74 107.34,66.94 ; 105.59,67.24 105.59,67.34 105.39,67.54 ; v1(107.41,81.17) 107.19,80.96 ; v1(114.63,79.41) 114.79,79.58 114.79,83.24 114.29,83.74 114.29,84.33 v1(113.89,84.72) ; 114.49,66.74 114.49,66.94 ; 110.94,66.74 110.94,66.94 ; 110.94,66.74 110.04,66.74 ; 115.9,68.44 116.23,68.77 116.23,68.96 v1(116.26,68.98) ; 105.79,68.44 106.02,68.66 106.02,72.72 v1(106.11,72.81) 106.11,74.34 ; 106.61,68.01 106.61,68.13 v1(106.62,68.14) 106.59,68.16 106.59,68.32 ; v1(108.24,73.31) 108.24,72.72 108.79,72.17 108.79,71.14 108.79,71.13 108.79,70.64 108.28,70.13 108.28,69.67 108.25,69.65 108.28,69.62 107.75,69.09 107.75,68.47 107.65,68.37 ; v1(117.44,82.22) v1(117.44,82.97) 117.37,83.04 117.37,84.23 116.68,84.92 v1(116.62,84.92) ; v1(111.99,81.89) 111.99,82.27 v1(112.01,82.3) 112.01,82.8 111.82,82.99 111.82,83.59 110.96,84.45 110.96,84.72 ; v1(108.94,75.74) 109.09,75.59 109.09,75.32 109.25,75.16 v1(109.25,74.64) ; 110.04,66.74 109.19,66.74 ; 110.04,66.74 110.04,66.94 ; 109.19,66.74 109.19,66.94 ; 113.79,68.12 113.91,68.24 v1(113.91,68.27) 113.94,68.29 113.94,68.59 114.22,68.86 114.22,68.96 114.39,69.14 114.39,69.72 114.97,70.3 114.97,70.39 114.98,70.39 v1(114.98,70.47) ; 108.1,76.39 108.1,75.34 108.28,75.16 108.28,74.85 108.23,74.8 v1(108.23,74.75) 108.24,74.74 108.24,74.48 108.24,74.47 ; 108.51,85.03 108.82,84.73 108.82,82.95 109.5,82.27 v1(109.5,82.13) ; 112.74,84.72 112.74,84.68 113.28,84.15 113.28,83.94 v1(113.29,83.92) 113.28,83.91 113.28,83.74 113.9,83.12 v1(113.9,82.93) ; v1(117.49,72.36) 117.47,72.35 v1(117.47,71.02) 117.47,70.85 117.32,70.7 117.32,69.6 v1(117.49,69.44) 117.43,69.38 117.43,68.96 116.49,68.03 116.49,67.54 116.34,67.39 116.34,66.74 ; v1(113.26,69.4) 113.26,68.91 112.89,68.54 112.89,68.34 ; 118.19,80.53 v1(118.19,79.4) ; v1(110.37,71.11) 110.21,70.96 110.21,69.89 109.72,69.4 109.72,68.46 109.67,68.41 ; v1(110.2,79.86) v1(110.2,81.18) 110.36,81.34 110.36,83.03 109.53,83.87 109.53,84.97 109.14,85.36 109.14,85.68 ; 111.14,68.43 111.14,68.76